# KiCad board fmc_memory_adapter.kicad_pcb (continued)
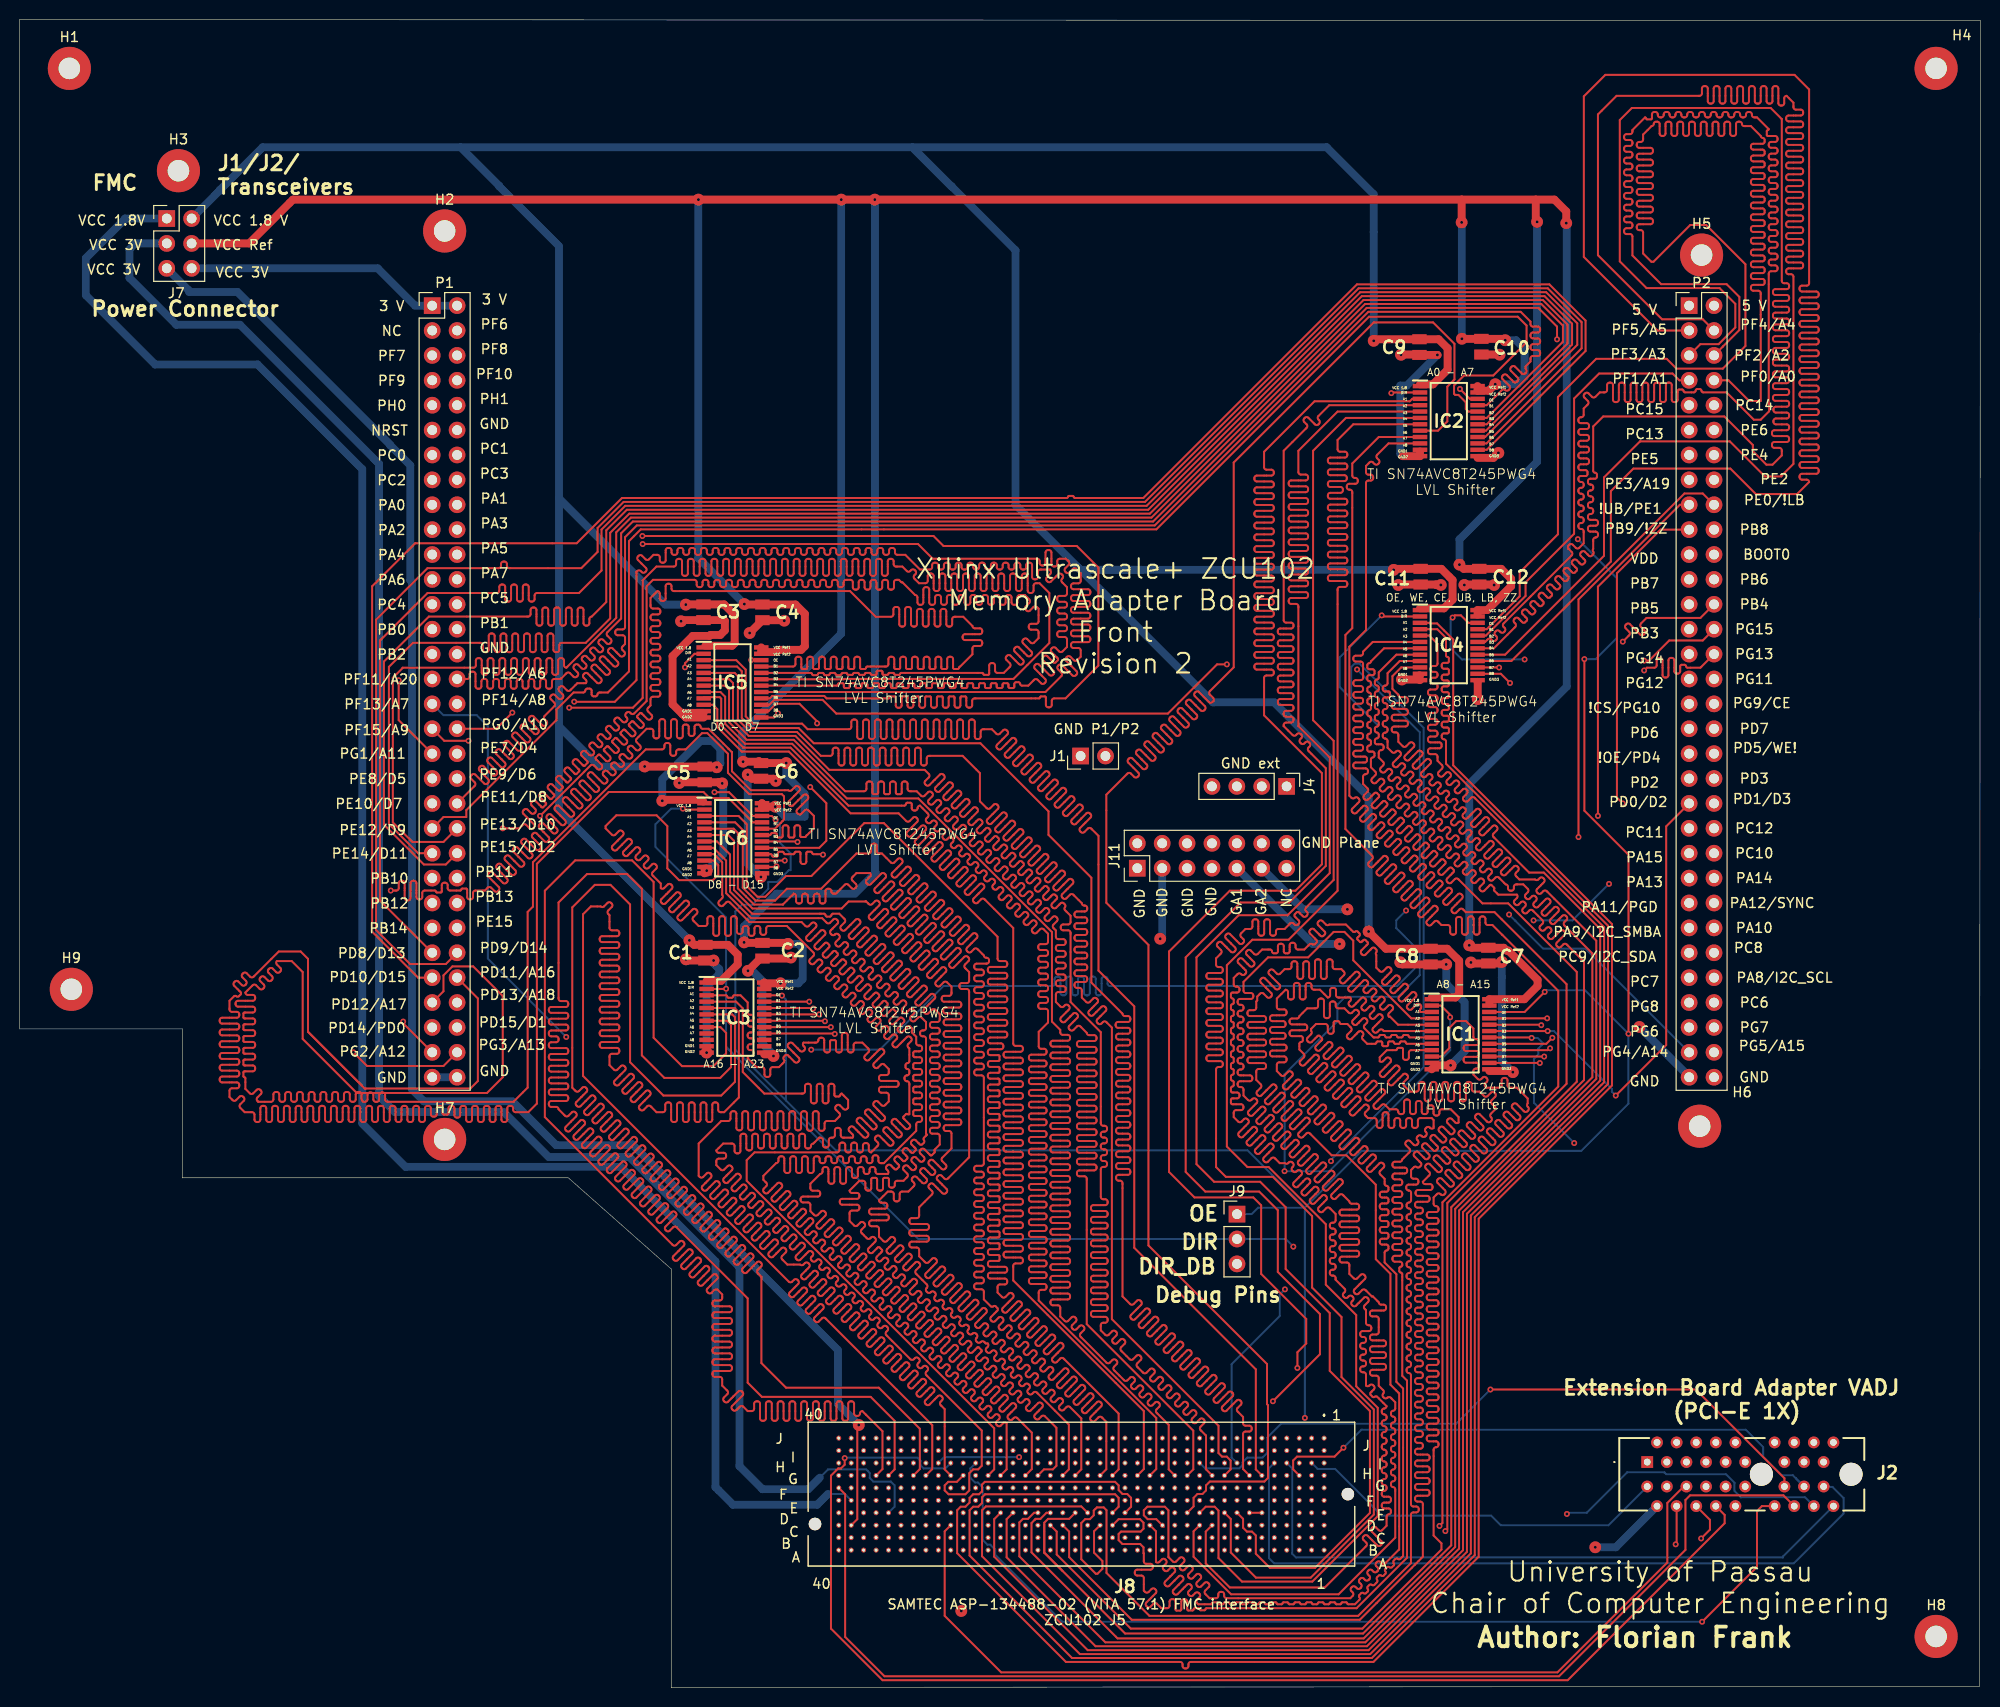
[diagram p0: board, top side]
## Routing (per net, layer and track width the routed paths; a pad name or vN(x,y) marks a point on that pad's centre or on a via; arc(x,y) is an arc through that point) (continued)
Net-(IC6-B7): length 196.9
  Top w0.2: IC6.15 v2(78.09,84.38) ; P2.28 171.77,106.84 168.35,106.84 166.29,104.78 v2(165.79,104.78)
  In2.Cu w0.2: v2(165.79,104.78) 164.21,104.78 163.63,104.21 arc(163.46,104.14) 163.29,104.21 162.92,104.57 arc(162.76,104.64) 162.59,104.57 162.5,104.49 arc(162.43,104.32) 162.5,104.15 163.58,103.07 arc(163.65,102.9) 163.58,102.73 163.49,102.65 arc(163.32,102.58) 163.15,102.65 162.08,103.72 arc(161.91,103.79) 161.74,103.72 161.65,103.64 arc(161.58,103.47) 161.65,103.3 162.73,102.23 arc(162.8,102.06) 162.73,101.89 162.64,101.8 arc(162.47,101.73) 162.3,101.8 161.23,102.88 arc(161.06,102.95) 160.89,102.88 160.8,102.79 arc(160.73,102.62) 160.8,102.45 161.88,101.38 arc(161.95,101.21) 161.88,101.04 161.79,100.95 arc(161.62,100.88) 161.45,100.95 160.38,102.03 arc(160.21,102.1) 160.04,102.03 159.95,101.94 arc(159.88,101.77) 159.95,101.6 161.03,100.53 arc(161.1,100.36) 161.03,100.19 160.94,100.1 arc(160.78,100.03) 160.61,100.1 159.53,101.18 arc(159.36,101.25) 159.19,101.18 159.11,101.09 arc(159.04,100.92) 159.11,100.75 160.18,99.68 arc(160.25,99.51) 160.18,99.34 160.1,99.26 arc(159.93,99.19) 159.76,99.26 158.68,100.33 arc(158.51,100.4) 158.34,100.33 158.26,100.25 arc(158.19,100.08) 158.26,99.91 159.33,98.83 arc(159.4,98.66) 159.33,98.49 159.25,98.41 arc(159.08,98.34) 158.91,98.41 157.83,99.48 arc(157.66,99.55) 157.49,99.48 157.41,99.4 arc(157.34,99.23) 157.41,99.06 158.48,97.98 arc(158.55,97.81) 158.48,97.64 158.4,97.56 arc(158.23,97.49) 158.06,97.56 156.99,98.63 arc(156.82,98.7) 156.65,98.63 156.56,98.55 arc(156.49,98.38) 156.56,98.21 157.64,97.13 arc(157.71,96.96) 157.64,96.79 157.55,96.71 arc(157.38,96.64) 157.21,96.71 156.14,97.78 arc(155.97,97.86) 155.8,97.78 155.71,97.7 arc(155.64,97.53) 155.71,97.36 156.08,96.99 arc(156.15,96.82) 156.08,96.65 155.62,96.19 155.62,95.62 arc(155.69,95.45) 155.86,95.38 156.13,95.38 arc(156.3,95.31) 156.37,95.14 156.37,95.02 arc(156.3,94.85) 156.13,94.78 154.86,94.78 arc(154.69,94.71) 154.62,94.54 154.62,94.42 arc(154.69,94.25) 154.86,94.18 156.03,94.18 arc(156.2,94.11) 156.27,93.94 156.27,93.82 arc(156.2,93.65) 156.03,93.58 154.86,93.58 arc(154.69,93.51) 154.62,93.34 154.62,93.22 arc(154.69,93.05) 154.86,92.98 155.38,92.98 arc(155.55,92.91) 155.62,92.74 155.62,92.62 arc(155.55,92.45) 155.38,92.38 154.86,92.38 arc(154.69,92.31) 154.62,92.14 154.62,92.02 arc(154.69,91.85) 154.86,91.78 155.38,91.78 arc(155.55,91.71) 155.62,91.54 155.62,91.42 arc(155.55,91.25) 155.38,91.18 154.86,91.18 arc(154.69,91.11) 154.62,90.94 154.62,90.82 arc(154.69,90.65) 154.86,90.58 155.38,90.58 arc(155.55,90.51) 155.62,90.34 155.62,90.22 arc(155.55,90.05) 155.38,89.98 154.86,89.98 arc(154.69,89.91) 154.62,89.74 154.62,89.62 arc(154.69,89.45) 154.86,89.38 155.38,89.38 arc(155.55,89.31) 155.62,89.14 155.62,89.02 arc(155.55,88.85) 155.38,88.78 154.86,88.78 arc(154.69,88.71) 154.62,88.54 154.62,88.42 arc(154.69,88.25) 154.86,88.18 155.38,88.18 arc(155.55,88.11) 155.62,87.94 155.62,87.82 arc(155.55,87.65) 155.38,87.58 154.86,87.58 arc(154.69,87.51) 154.62,87.34 154.62,87.22 arc(154.69,87.05) 154.86,86.98 155.38,86.98 arc(155.55,86.91) 155.62,86.74 155.62,86.62 arc(155.55,86.45) 155.38,86.38 154.86,86.38 arc(154.69,86.31) 154.62,86.14 154.62,86.02 arc(154.69,85.85) 154.86,85.78 155.38,85.78 arc(155.55,85.71) 155.62,85.54 155.62,85.42 arc(155.55,85.25) 155.38,85.18 154.86,85.18 arc(154.69,85.11) 154.62,84.94 154.62,84.82 arc(154.69,84.65) 154.86,84.58 155.38,84.58 arc(155.55,84.51) 155.62,84.34 155.62,84.22 arc(155.55,84.05) 155.38,83.98 154.86,83.98 arc(154.69,83.91) 154.62,83.74 154.62,83.62 arc(154.69,83.45) 154.86,83.38 155.38,83.38 arc(155.55,83.31) 155.62,83.14 155.62,83.02 arc(155.55,82.85) 155.38,82.78 154.86,82.78 arc(154.69,82.71) 154.62,82.54 154.62,82.42 arc(154.69,82.25) 154.86,82.18 155.38,82.18 arc(155.55,82.11) 155.62,81.94 155.62,81.82 arc(155.55,81.65) 155.38,81.58 154.86,81.58 arc(154.69,81.51) 154.62,81.34 154.62,81.22 arc(154.69,81.05) 154.86,80.98 155.38,80.98 arc(155.55,80.91) 155.62,80.74 155.62,80.62 arc(155.55,80.45) 155.38,80.38 155.11,80.38 arc(154.94,80.31) 154.87,80.14 154.87,80.02 arc(154.94,79.85) 155.11,79.78 155.38,79.78 arc(155.55,79.71) 155.62,79.54 155.62,76.35 151.35,72.08 96.09,72.08 89.14,79.02 arc(89.07,79.19) 89.14,79.36 89.46,79.68 arc(89.53,79.85) 89.46,80.02 89.38,80.11 arc(89.21,80.18) 89.04,80.11 88.72,79.79 arc(88.55,79.72) 88.38,79.79 88.29,79.87 arc(88.22,80.04) 88.29,80.21 88.61,80.53 arc(88.68,80.7) 88.61,80.87 88.53,80.95 arc(88.36,81.02) 88.19,80.95 87.87,80.64 arc(87.7,80.56) 87.53,80.64 87.45,80.72 arc(87.38,80.89) 87.45,81.06 87.76,81.38 arc(87.83,81.55) 87.76,81.72 87.68,81.8 arc(87.51,81.87) 87.34,81.8 87.02,81.48 arc(86.85,81.41) 86.68,81.48 86.6,81.57 arc(86.53,81.74) 86.6,81.91 86.92,82.23 arc(86.99,82.4) 86.92,82.57 86.83,82.65 arc(86.66,82.72) 86.49,82.65 86.17,82.33 arc(86,82.26) 85.83,82.33 85.75,82.42 arc(85.68,82.59) 85.75,82.76 86.07,83.08 arc(86.14,83.25) 86.07,83.41 85.98,83.5 arc(85.81,83.57) 85.64,83.5 85.32,83.18 arc(85.15,83.11) 84.98,83.18 84.9,83.27 arc(84.83,83.44) 84.9,83.6 85.22,83.92 arc(85.29,84.09) 85.22,84.26 85.13,84.35 arc(84.96,84.42) 84.79,84.35 84.48,84.03 arc(84.31,83.96) 84.14,84.03 84.05,84.11 arc(83.98,84.28) 84.05,84.45 84.37,84.77 arc(84.44,84.94) 84.37,85.11 84.29,85.2 arc(84.12,85.27) 83.95,85.2 83.39,84.64 arc(83.32,84.61) 83.25,84.64 82.96,84.92 arc(82.93,84.99) 82.96,85.06 83.52,85.62 arc(83.59,85.79) 83.52,85.96 83.44,86.05 arc(83.27,86.12) 83.1,86.05 82.78,85.73 arc(82.61,85.66) 82.44,85.73 81.19,86.98 79.24,86.98 78.59,86.33 78.59,84.88 v2(78.09,84.38)
Net-(IC6-B8): length 196.9
  Top w0.2: v2(163.61,106.72) 164.27,107.38 arc(164.34,107.55) 164.27,107.72 163.9,108.09 arc(163.83,108.26) 163.9,108.43 163.98,108.51 arc(164.15,108.58) 164.32,108.51 165.4,107.44 arc(165.57,107.37) 165.74,107.44 165.82,107.52 arc(165.89,107.69) 165.82,107.86 165.45,108.23 arc(165.38,108.4) 165.45,108.57 166.03,109.14 171.53,109.14 P2.26 ; v2(77.25,83.78) 77.2,83.73 IC6.14
  In2.Cu w0.2: v2(163.61,106.72) 162.95,106.06 arc(162.88,105.89) 162.95,105.72 163.1,105.57 arc(163.17,105.4) 163.1,105.23 163.02,105.14 arc(162.85,105.07) 162.68,105.14 161.82,106 arc(161.65,106.07) 161.48,106 161.39,105.92 arc(161.32,105.75) 161.39,105.58 162.07,104.9 arc(162.13,104.76) 162.07,104.62 161.93,104.48 arc(161.79,104.42) 161.64,104.48 160.97,105.15 arc(160.8,105.22) 160.63,105.15 160.54,105.07 arc(160.47,104.9) 160.54,104.73 161.22,104.05 arc(161.28,103.91) 161.22,103.77 161.08,103.63 arc(160.94,103.57) 160.8,103.63 160.12,104.3 arc(159.95,104.38) 159.78,104.3 159.69,104.22 arc(159.62,104.05) 159.69,103.88 160.37,103.2 arc(160.43,103.06) 160.37,102.92 160.23,102.78 arc(160.09,102.72) 159.95,102.78 159.27,103.46 arc(159.1,103.53) 158.93,103.46 158.85,103.37 arc(158.78,103.2) 158.85,103.03 159.52,102.36 arc(159.58,102.21) 159.52,102.07 159.38,101.93 arc(159.24,101.87) 159.1,101.93 158.42,102.61 arc(158.25,102.68) 158.08,102.61 158,102.52 arc(157.93,102.35) 158,102.18 158.67,101.51 arc(158.73,101.37) 158.67,101.23 158.53,101.08 arc(158.39,101.02) 158.25,101.08 157.57,101.76 arc(157.4,101.83) 157.23,101.76 157.15,101.67 arc(157.08,101.5) 157.15,101.34 157.83,100.66 arc(157.88,100.52) 157.83,100.38 157.68,100.23 arc(157.54,100.18) 157.4,100.23 156.72,100.91 arc(156.55,100.98) 156.39,100.91 156.3,100.83 arc(156.23,100.66) 156.3,100.49 156.98,99.81 arc(157.04,99.67) 156.98,99.53 156.83,99.39 arc(156.69,99.33) 156.55,99.39 155.88,100.06 arc(155.71,100.13) 155.54,100.06 155.45,99.98 arc(155.38,99.81) 155.45,99.64 156.13,98.96 arc(156.19,98.82) 156.13,98.68 155.99,98.54 arc(155.85,98.48) 155.7,98.54 155.03,99.21 arc(154.86,99.28) 154.69,99.21 154.6,99.13 arc(154.53,98.96) 154.6,98.79 155.28,98.11 arc(155.34,97.97) 155.28,97.83 155.14,97.69 arc(155,97.63) 154.86,97.69 154.18,98.37 arc(154.01,98.44) 153.84,98.37 153.75,98.28 arc(153.68,98.11) 153.75,97.94 154.12,97.57 arc(154.19,97.4) 154.12,97.23 153.45,96.56 arc(153.52,96.39) 153.69,96.32 154.2,96.32 arc(154.37,96.25) 154.44,96.08 154.44,95.96 arc(154.37,95.79) 154.2,95.72 152.69,95.72 arc(152.52,95.65) 152.45,95.48 152.45,95.36 arc(152.52,95.19) 152.69,95.12 154,95.12 arc(154.17,95.05) 154.24,94.88 154.24,94.76 arc(154.17,94.59) 154,94.52 152.69,94.52 arc(152.52,94.45) 152.45,94.28 152.45,94.16 arc(152.52,93.99) 152.69,93.92 154,93.92 arc(154.17,93.85) 154.24,93.68 154.24,93.56 arc(154.17,93.39) 154,93.32 152.69,93.32 arc(152.52,93.25) 152.45,93.08 152.45,92.96 arc(152.52,92.79) 152.69,92.72 154,92.72 arc(154.17,92.65) 154.24,92.48 154.24,92.36 arc(154.17,92.19) 154,92.12 152.69,92.12 arc(152.52,92.05) 152.45,91.88 152.45,91.76 arc(152.52,91.59) 152.69,91.52 154,91.52 arc(154.17,91.45) 154.24,91.28 154.24,91.16 arc(154.17,90.99) 154,90.92 152.69,90.92 arc(152.52,90.85) 152.45,90.68 152.45,90.56 arc(152.52,90.39) 152.69,90.32 154,90.32 arc(154.17,90.25) 154.24,90.08 154.24,89.96 arc(154.17,89.79) 154,89.72 152.69,89.72 arc(152.52,89.65) 152.45,89.48 152.45,89.36 arc(152.52,89.19) 152.69,89.12 154,89.12 arc(154.17,89.05) 154.24,88.88 154.24,88.76 arc(154.17,88.59) 154,88.52 152.69,88.52 arc(152.52,88.45) 152.45,88.28 152.45,88.16 arc(152.52,87.99) 152.69,87.92 154,87.92 arc(154.17,87.85) 154.24,87.68 154.24,87.56 arc(154.17,87.39) 154,87.32 152.69,87.32 arc(152.52,87.25) 152.45,87.08 152.45,86.96 arc(152.52,86.79) 152.69,86.72 154,86.72 arc(154.17,86.65) 154.24,86.48 154.24,86.36 arc(154.17,86.19) 154,86.12 152.69,86.12 arc(152.52,86.05) 152.45,85.88 152.45,85.76 arc(152.52,85.59) 152.69,85.52 154,85.52 arc(154.17,85.45) 154.24,85.28 154.24,85.16 arc(154.17,84.99) 154,84.92 152.69,84.92 arc(152.52,84.85) 152.45,84.68 152.45,84.56 arc(152.52,84.39) 152.69,84.32 154,84.32 arc(154.17,84.25) 154.24,84.08 154.24,83.96 arc(154.17,83.79) 154,83.72 153.69,83.72 arc(153.52,83.65) 153.45,83.48 153.45,80.75 155.22,78.98 155.22,76.71 151.19,72.68 98.59,72.68 83.89,87.38 79.07,87.38 77.39,85.69 77.39,83.92 v2(77.25,83.78)
Net-(J1-Pin_1): length 116.4
  In1.Cu w0.8: J1.1 108.27,87.97 112.4,83.85 112.4,78.84 108.27,74.71 108.27,40.32 117.4,31.2 128.4,31.2 130.6,29 137.3,29 137.3,17.8 136.5,17 136.47,17 136.47,16.77 133.71,14.01 J8.A1 133.13,13.43 132.06,12.36 129.88,12.36 129.32,12.92 J8.A4 J8.A5
Net-(J1-Pin_2): length 231.9
  In1.Cu w0.8: P1.30 45.59,105.45 52.22,98.82 52.22,67.5 45.82,61.1 ; 45.82,61.1 82.7,61.1 92.4,70.8 92.4,89.4 103,100 108,100 110.81,97.19 J1.2 110.81,86.84 J11.1 125.56,72.1 160.6,72.1 v1(165.3,67.4) ; 45.82,61.1 P1.64 ; P2.63 P2.64
  In2.Cu w0.8: J1.2 110.81,96.25
  Bottom w0.8: P1.64 P1.63 ; P2.63 170.38,62.32 v1(165.3,67.4)
Net-(J2-PadB1): length 38.5
  Bottom w0.2: J8.H2 132.46,22.3 134.25,22.3 139.02,17.52 150.18,17.52 151.15,16.55 162.15,16.55 J2.B1
Net-(J2-PadB4): length 81.3
  Top w0.2: J2.B4 169.1,14.7 v2(169,14.6)
  In2.Cu w0.2: v2(169,14.6) 168.05,15.55 149.9,15.55 149.5,15.15 146.55,15.15 143.8,12.4 98.3,12.4 96.85,13.85 96.85,15.51 96.3,16.06 J8.C30
Net-(J2-PadB5): length 99.3
  Top w0.2: J2.B5 169.83,20.5 168.15,18.82 168.15,12.75 156.94,1.54 100.17,1.54 94.41,7.3 94.41,15.93 J8.C31 ; 169.88,20.46 170.15,20.46
Net-(J2-PadB6): length 100.1
  Top w0.2: J2.B6 172.5,17.1 172.5,16.1 v2(171.6,15.2)
  In2.Cu w0.2: v2(171.6,15.2) 158.2,1.8 99.8,1.8 94.31,7.29 94.31,17.27 J8.D32
Net-(J2-PadB7): length 87.4
  In2.Cu w0.2: J8.D31 95.65,17.2 96.52,17.2 96.92,16.81 96.92,16.29 97.31,15.9 113.1,15.9 113.46,16.26 113.46,16.81 113.82,17.17 114.33,17.17 114.7,17.53 114.7,18.05 115.09,18.44 132.15,18.44 132.58,18.86 132.58,19.32 132.08,19.81 131.63,19.81 131.31,20.13 131.31,21.86 131.63,22.18 138.42,22.18 141.8,18.8 144.86,18.8 145.6,19.54 171.23,19.54 172.15,20.46
Net-(J2-PadB8): length 132.1
  Top w0.2: J2.B8 174,17.6 174,16.75 157.98,0.74 88.06,0.74 82.8,6 82.8,21.61 83.54,22.35 83.82,22.35 84.2,22.73 v2(84.2,23.4)
  Bottom w0.2: v2(84.2,23.4) 84.25,23.45 91.61,23.45 91.94,23.13 91.94,22.67 92.26,22.35 94.48,22.35 J8.H31
Net-(J2-PadB9): length 85.9
  In2.Cu w0.2: J2.B9 173.2,21.4 139.77,21.4 137.72,23.45 127.78,23.45 127.33,23 127.33,21.4 127,21.08 102.42,21.08 102,21.5 v2(102,23.5)
  Bottom w0.2: v2(102,23.5) 94.36,23.5 J8.H32
Net-(J2-PadB10): length 53.8
  Top w0.2: J8.D6 J8.D7
  In2.Cu w0.2: J2.B10 173.8,17.2 170.3,17.2 169.05,15.95 151.25,15.95 150.1,17.1 143.9,17.1 143.73,17.27 127.33,17.27 J8.D6
  In2.Cu w0.8: 175.15,18.46 175.15,19.46 176.15,20.46
Net-(J2-PadB12): length 101.6
  Top w0.2: J2.B12 177.8,18.5 177.3,18 177.3,12.3 v2(171.7,6.7)
  Bottom w0.2: v2(171.7,6.7) 106.4,6.7 99.56,13.54 99.56,14.07 99.06,14.56 98.78,14.56 98.29,15.05 98.29,20.42 97.79,20.91 97.5,20.91 97.02,21.39 97.02,22.35 J8.H29
Net-(J2-PadB13): length 68.9
  Top w0.2: J2.B13 180.1,21.35 171.05,30.4 v2(150.1,30.4)
  Bottom w0.2: J8.H11 120.98,22.35 124.46,22.35 124.8,22.69 124.8,22.97 125.28,23.45 126.83,23.45 127.33,23.94 127.33,25.5 128.73,26.9 146.6,26.9 v2(150.1,30.4)
Net-(J2-PadB14): length 125.1
  Top w0.2: J8.F40 84.25,19.71 84.25,5.15 88.26,1.14 157.1,1.14 170,14.03 170,19.13 170.47,19.6 180,19.6 J2.B14
Net-(J2-PadB15): length 59.4
  Top w0.2: v2(135.1,24.46) 134.19,23.55 130.36,23.55 129.97,23.16 129.97,22.25 J8.G3
  Bottom w0.2: J2.B15 181.28,21.32 181.28,21.33 ; v2(135.1,24.46) 136.94,26.3 176.15,26.3 177.93,24.52 177.93,23.53 179.8,21.65 180.96,21.65 181.28,21.33 ; 181.28,21.33 182.15,20.46
Net-(J2-PadB16): length 57.5
  In2.Cu w0.2: J8.G2 132.5,20.99 132.5,20.11 132.87,19.74 133.38,19.74 133.75,19.38 133.75,18.71 134.7,17.75 157.85,17.75 v2(157.9,17.7)
  Bottom w0.2: v2(157.9,17.7) 158.02,17.82 159.92,17.82 164.05,21.95 167.85,21.95 168.04,21.76 174.12,21.76 175,20.88 175,20.05 175.65,19.4 182.2,19.4 J2.B16
Net-(J2-PadB17): length 74.9
  Bottom w0.2: 184.15,20.46 185,20.46 186.14,19.32 186.14,17.75 181.05,12.66 128.03,12.66 127.5,13.19 127.5,22.35 J8.H5
Net-(J2-PadB18): length 67.1
  Bottom w0.2: J2.B18 179.95,13.35 179.95,13.26 130.25,13.26 129.87,13.65 129.87,22.35 J8.H4
Net-(J7-Pin_1): length 196.3
  Bottom w0.2: J8.E39 84.22,19.74 82.49,19.74
  Bottom w0.8: J7.1 10.76,149.9 10.76,149.85 6.76,145.85 6.76,142.08 13.84,135 24.29,135 34.97,124.32 34.97,57.55 39.4,53.12 61.37,53.12 71.01,43.48 71.01,20.43 72.8,18.64 81.39,18.64 82.49,19.74
Net-(J7-Pin_3): length 190.8
  Bottom w0.2: J8.D36 89.3,18.44 89.3,20.62 88.9,21.01 87.12,21.01 86.76,21.37 86.76,21.89 86.39,22.25 82.51,22.25 81.66,21.4
  Bottom w0.8: 81.66,21.4 80.49,20.23 75.8,20.23 73.46,22.57 73.46,42.89 62.23,54.12 54.01,54.12 49.41,58.72 38.3,58.72 36.69,60.33 36.69,124.85 22.49,139.05 16,139.05 11.22,143.84 11.22,146.76 11.82,147.36 J7.3
Net-(J7-Pin_5): length 170.9
  Top w0.2: 85.52,26.66 v1(85.64,26.78) 85.49,26.63 85.49,17.17 J8.C39
  Bottom w0.8: v1(85.64,26.78) 85.64,26.8 83.51,28.93 83.51,34.42 62.51,55.42 62.43,55.34 54.75,55.34 50.29,59.8 41.27,59.8 40.05,61.02 40.05,112.81 39.87,112.99 39.87,124.71 37.79,126.79 37.79,126.85 22.24,142.4 17.3,142.4 17.3,142.54 J7.5
Net-(J7-Pin_6): length 28.7
  Bottom w0.8: J7.6 36.55,144.82 40.36,141.01 P1.1 P1.2
Net-(J11-Pin_3): length 118.7
  In1.Cu w0.8: J8.A9 122.97,12.13 123.74,11.36 126.89,11.36 ; 126.89,11.36 132.86,11.36 138.3,16.8 138.3,29.41 137.71,30 131.2,30 129,32.2 117.81,32.2 109.27,40.74 109.27,74.3 111.38,76.4 v1(116.4,76.4) ; 126.89,11.36 J8.A8
  Bottom w0.8: v1(116.4,76.4) 116.6,76.6 J11.3
Net-(J11-Pin_9): length 213
  In1.Cu w0.2: 166.4,15.2 168.1,16.9 J2.B3 ; 89.5,13.2 89.4,13.3 89.4,17.27 J8.D35
  In1.Cu w0.8: 166.4,15.2 163.19,15.2 157,21.39 ; 157,21.39 157,8.1 151.4,2.5 98.98,2.5 89.5,11.98 89.5,13.2 ; 157,21.39 157,51.51 166.5,61.01 166.5,70.5 159.7,77.3 147.81,77.3 146.38,75.87 v1(134.7,75.87)
  Bottom w0.8: J11.9 131.95,75.87 v1(134.7,75.87)
Net-(J11-Pin_11): length 204.6
  In1.Cu w0.2: J8.C34 91.94,15.83 91.94,13.34 91.8,13.2
  In1.Cu w0.8: v1(135.5,79.4) 139,82.9 162.57,82.9 168.7,76.77 168.7,61.8 158,51.1 158,21.8 162.2,17.6 166.2,17.6 J2.B2 ; 91.8,13.2 91.8,12.1 v1(96.1,7.8)
  In2.Cu w0.8: v1(160.8,14.3) 154.3,7.8 v1(96.1,7.8)
  Bottom w0.8: v1(135.5,79.4) 130.96,79.4 J11.11 ; v1(160.8,14.3) 162.9,14.3 J2.B2
unconnected-(J8-PadD13): length 0
  Top w0.2: 117.91,17.84 J8.D13
unconnected-(J8-PadD16): length 0.1
  Top w0.2: 114.13,17.87 J8.D16
unconnected-(J8-PadK12): length 0.1
  Top w0.2: 119.11,25.43 119.12,25.44 J8.K12
unconnected-(J8-PadK13): length 0
  Bottom w0.2: 117.9,25.43 J8.K13
unconnected-(J8-PadK16): length 0.1
  Top w0.2: J8.K16 114,25.44

## Copper pours and planes (outline as drawn; the poured copper is in the pictures)
GND on In1.Cu: 0.1,170.1 200,170 199.9,0.2 66.6,0.1 66.6,42.9 56.1,52.1 16.7,52.1 16.7,67.3 0.1,67.3
GND on In1.Cu: 70,105.1 141.3,104.3 139.8,7.8 69.2,4.7

## Text on the board
B.Silkscreen: PD14/PD0 | PD10/D15 | PE10/D7 | PD12/A17 | PE14/D11 | PD8/D13 | PG1/A11 | PE12/D9 | PG2/A12 | PF13/A7 | PF15/A9 | PE8/D5 | PB14 | NRST | PB10 | PB12 | 3 V | NC | PF7 | PF9 | PH0 | PC0 | PC2 | PA0 | PA2 | PA4 | PA6 | PC4 | PB0 | PB2 | PF11 | GND | P1 | PF6 | PF8 | PF10 | PH1 | PC1 | PC3 | PA1 | PA3 | PA5 | PA7 | PC5 | PB1 | PB11 | PB13 | PE15 | PE9/D6 | PE7/D4 | PG3/A13 | PD15/D1 | PF12/A6 | PF14/A8 | PE11/D8 | PD9/D14 | PG0/A10 | PE13/D10 | PE15/D12 | PD11/A16 | PD13/A18 | J | H | F | D | B | I | G | E | C | A | 40 | SAMTEC ASP-134488-02 (VITA 57.1) FMC interface / ZCU102 J5 | 1 | PA9/I2C_SMBA | PC9/I2C_SDA | PA11/PGD | !CS/PG10 | !OE/PD4 | !UB/PE1 | PG4/A14 | PB9/!ZZ | PF3/A2 | PD0/D2 | PF5/A5 | PF1/A1 | 5 V | PC15 | PC13 | PE5 | PE3 | VDD | PB7 | PB5 | PB3 | PG14 | PG12 | PD6 | PD2 | PC11 | PA15 | PA13 | PC7 | PG8 | PG6 | P2 | PC8 | PF2A2 | PC14 | PE6 | PE4 | PE2 | PB8 | PB6 | PB4 | PG15 | PG13 | PG11 | PG9 | PD7 | PD3 | PC12 | PC10 | PA14 | PA10 | PC6 | PG7 | PD1/D3 | PE0/!LB | PD5/WE! | BOOT0 | PF4/A3 | PF0/A0 | PG5/A15 | PA12/SYNC | PA8/I2C_SCL | University of Passau / Chair of Computer Engineering | Author: Florian Frank
F.Silkscreen: VCC 1.8 | GND1 | GND2 | DIR | A1 | A2 | A3 | A4 | A5 | A6 | A7 | A8 | VCC Ref1 | VCC Ref2 | OE | B1 | B2 | B3 | B4 | B5 | B6 | B7 | B8 | GND3 | A16 - A23 | D0 - D7 | D8 - D15 | A0 - A7 | OE, WE, CE, UB, LB, ZZ | A8 - A15 | TI SN74AVC8T245PWG4 / LVL Shifter | VCC 1.8V | VCC 3V | VCC Ref | VCC 1.8 V | PD14/PD0 | PD10/D15 | PE10/D7 | PD12/A17 | PE14/D11 | PD8/D13 | PG1/A11 | PE12/D9 | PG2/A12 | PF13/A7 | PF15/A9 | PE8/D5 | PF11/A20 | PB14 | NRST | PB10 | PB12 | 3 V | NC | PF7 | PF9 | PH0 | PC0 | PC2 | PA0 | PA2 | PA4 | PA6 | PC4 | PB0 | PB2 | GND | PF6 | PF8 | PF10 | PH1 | PC1 | PC3 | PA1 | PA3 | PA5 | PA7 | PC5 | PB1 | PB11 | PB13 | PE15 | PE9/D6 | PE7/D4 | PG3/A13 | PD15/D1 | PF12/A6 | PF14/A8 | PE11/D8 | PD9/D14 | PG0/A10 | PE13/D10 | PE15/D12 | PD11/A16 | PD13/A18 | J | H | F | D | B | I | G | E | C | A | 40 | SAMTEC ASP-134488-02 (VITA 57.1) FMC interface / ZCU102 J5 | GND P1/P2 | GND ext | 1 | GND Plane | PA9/I2C_SMBA | PC9/I2C_SDA | PA11/PGD | !CS/PG10 | !OE/PD4 | !UB/PE1 | PG4/A14 | PB9/!ZZ | PE3/A19 | PF3/A3 | PD0/D2 | PF5/A5 | PF1/A1 | 5 V | PC15 | PC13 | PE5 | VDD | PB7 | PB5 | PB3 | PG14 | PG12 | PD6 | PD2 | PC11 | PA15 | PA13 | PC7 | PG8 | PG6 | PC8 | PC14 | PE6 | PE4 | PB8 | PB6 | PB4 | PG15 | PG13 | PG11 | PD7 | PD3 | PC12 | PC10 | PA14 | PA10 | PC6 | PG7 | PF2/A2 | PG9/CE | PD1/D3 | PD5/WE! | BOOT0 | PF4/A4 | PF0/A0 | PG5/A15 | PA12/SYNC | PE2 | PE0/!LB | PA8/I2C_SCL | GA1 | GA2 | Power Connector | FMC | J1/J2/ / Transceivers | DIR_DB | Debug Pins | Extension Board Adapter VADJ / (PCI-E 1X) | University of Passau / Chair of Computer Engineering | Xilinx Ultrascale+ ZCU102 / Memory Adapter Board / Front / Revision 2 | Author: Florian Frank
